# Allegro board P2597_B04_Allegro_layout.brd
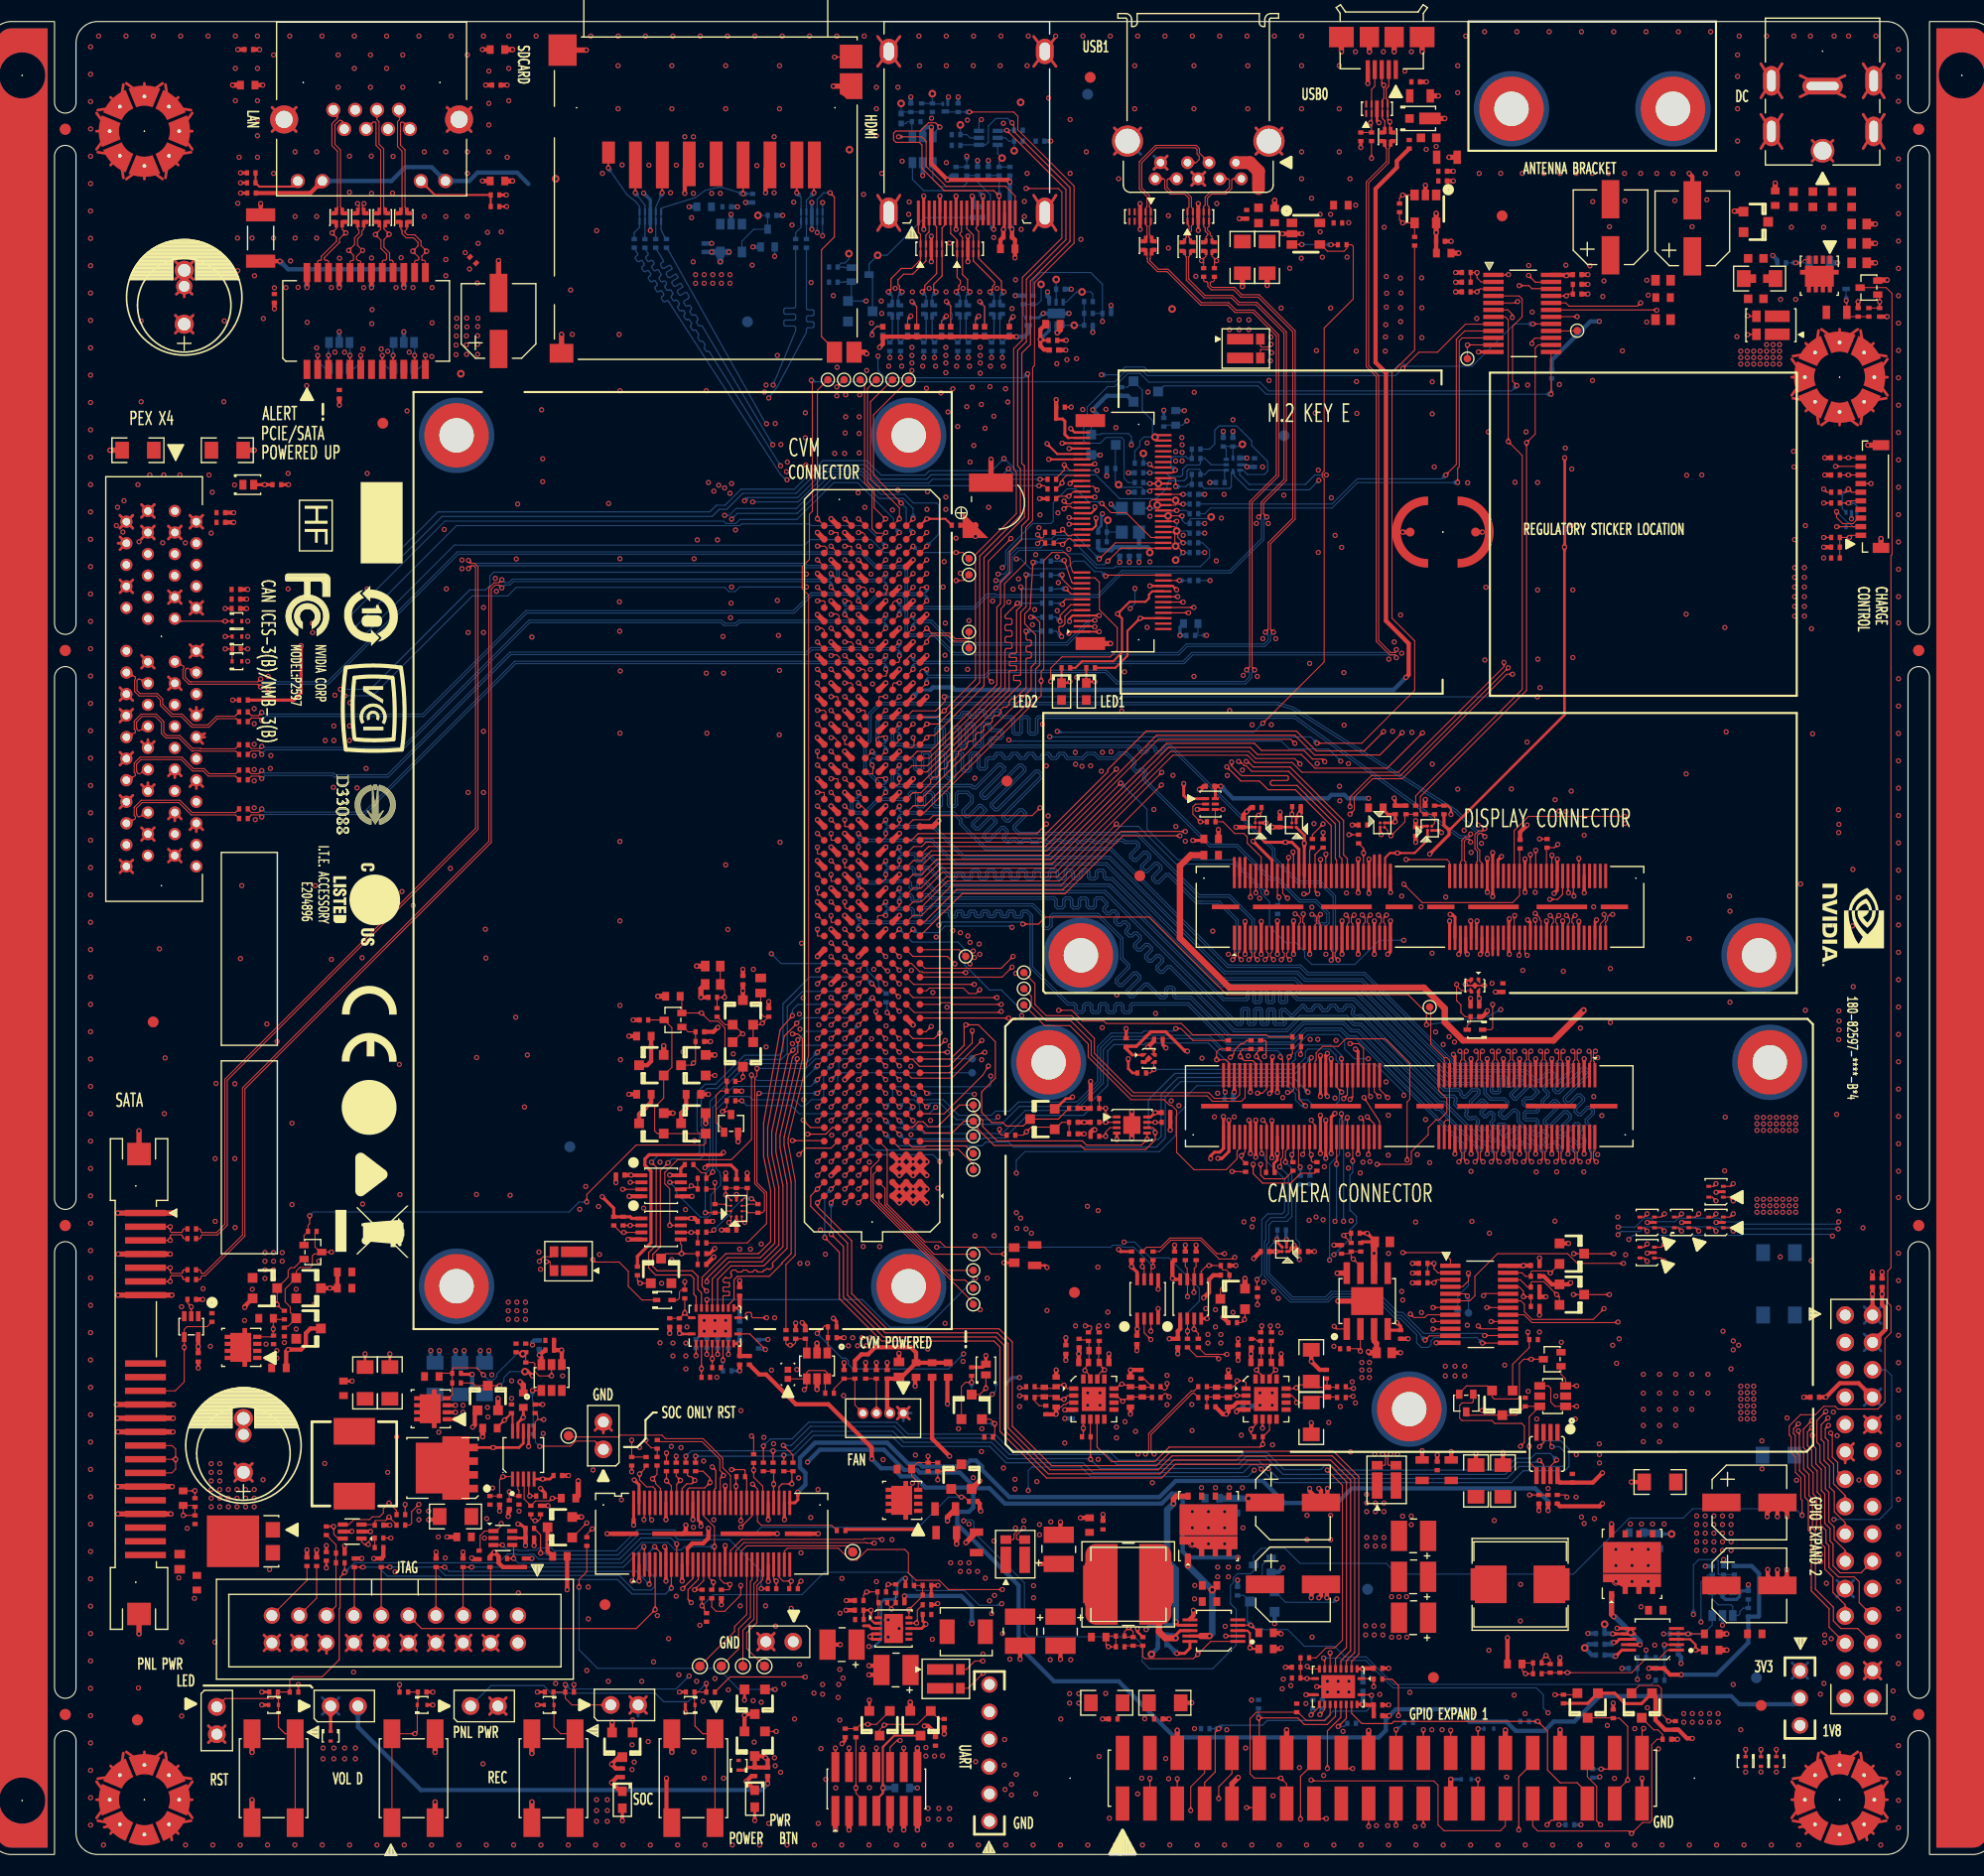
[diagram p0: board, top side]
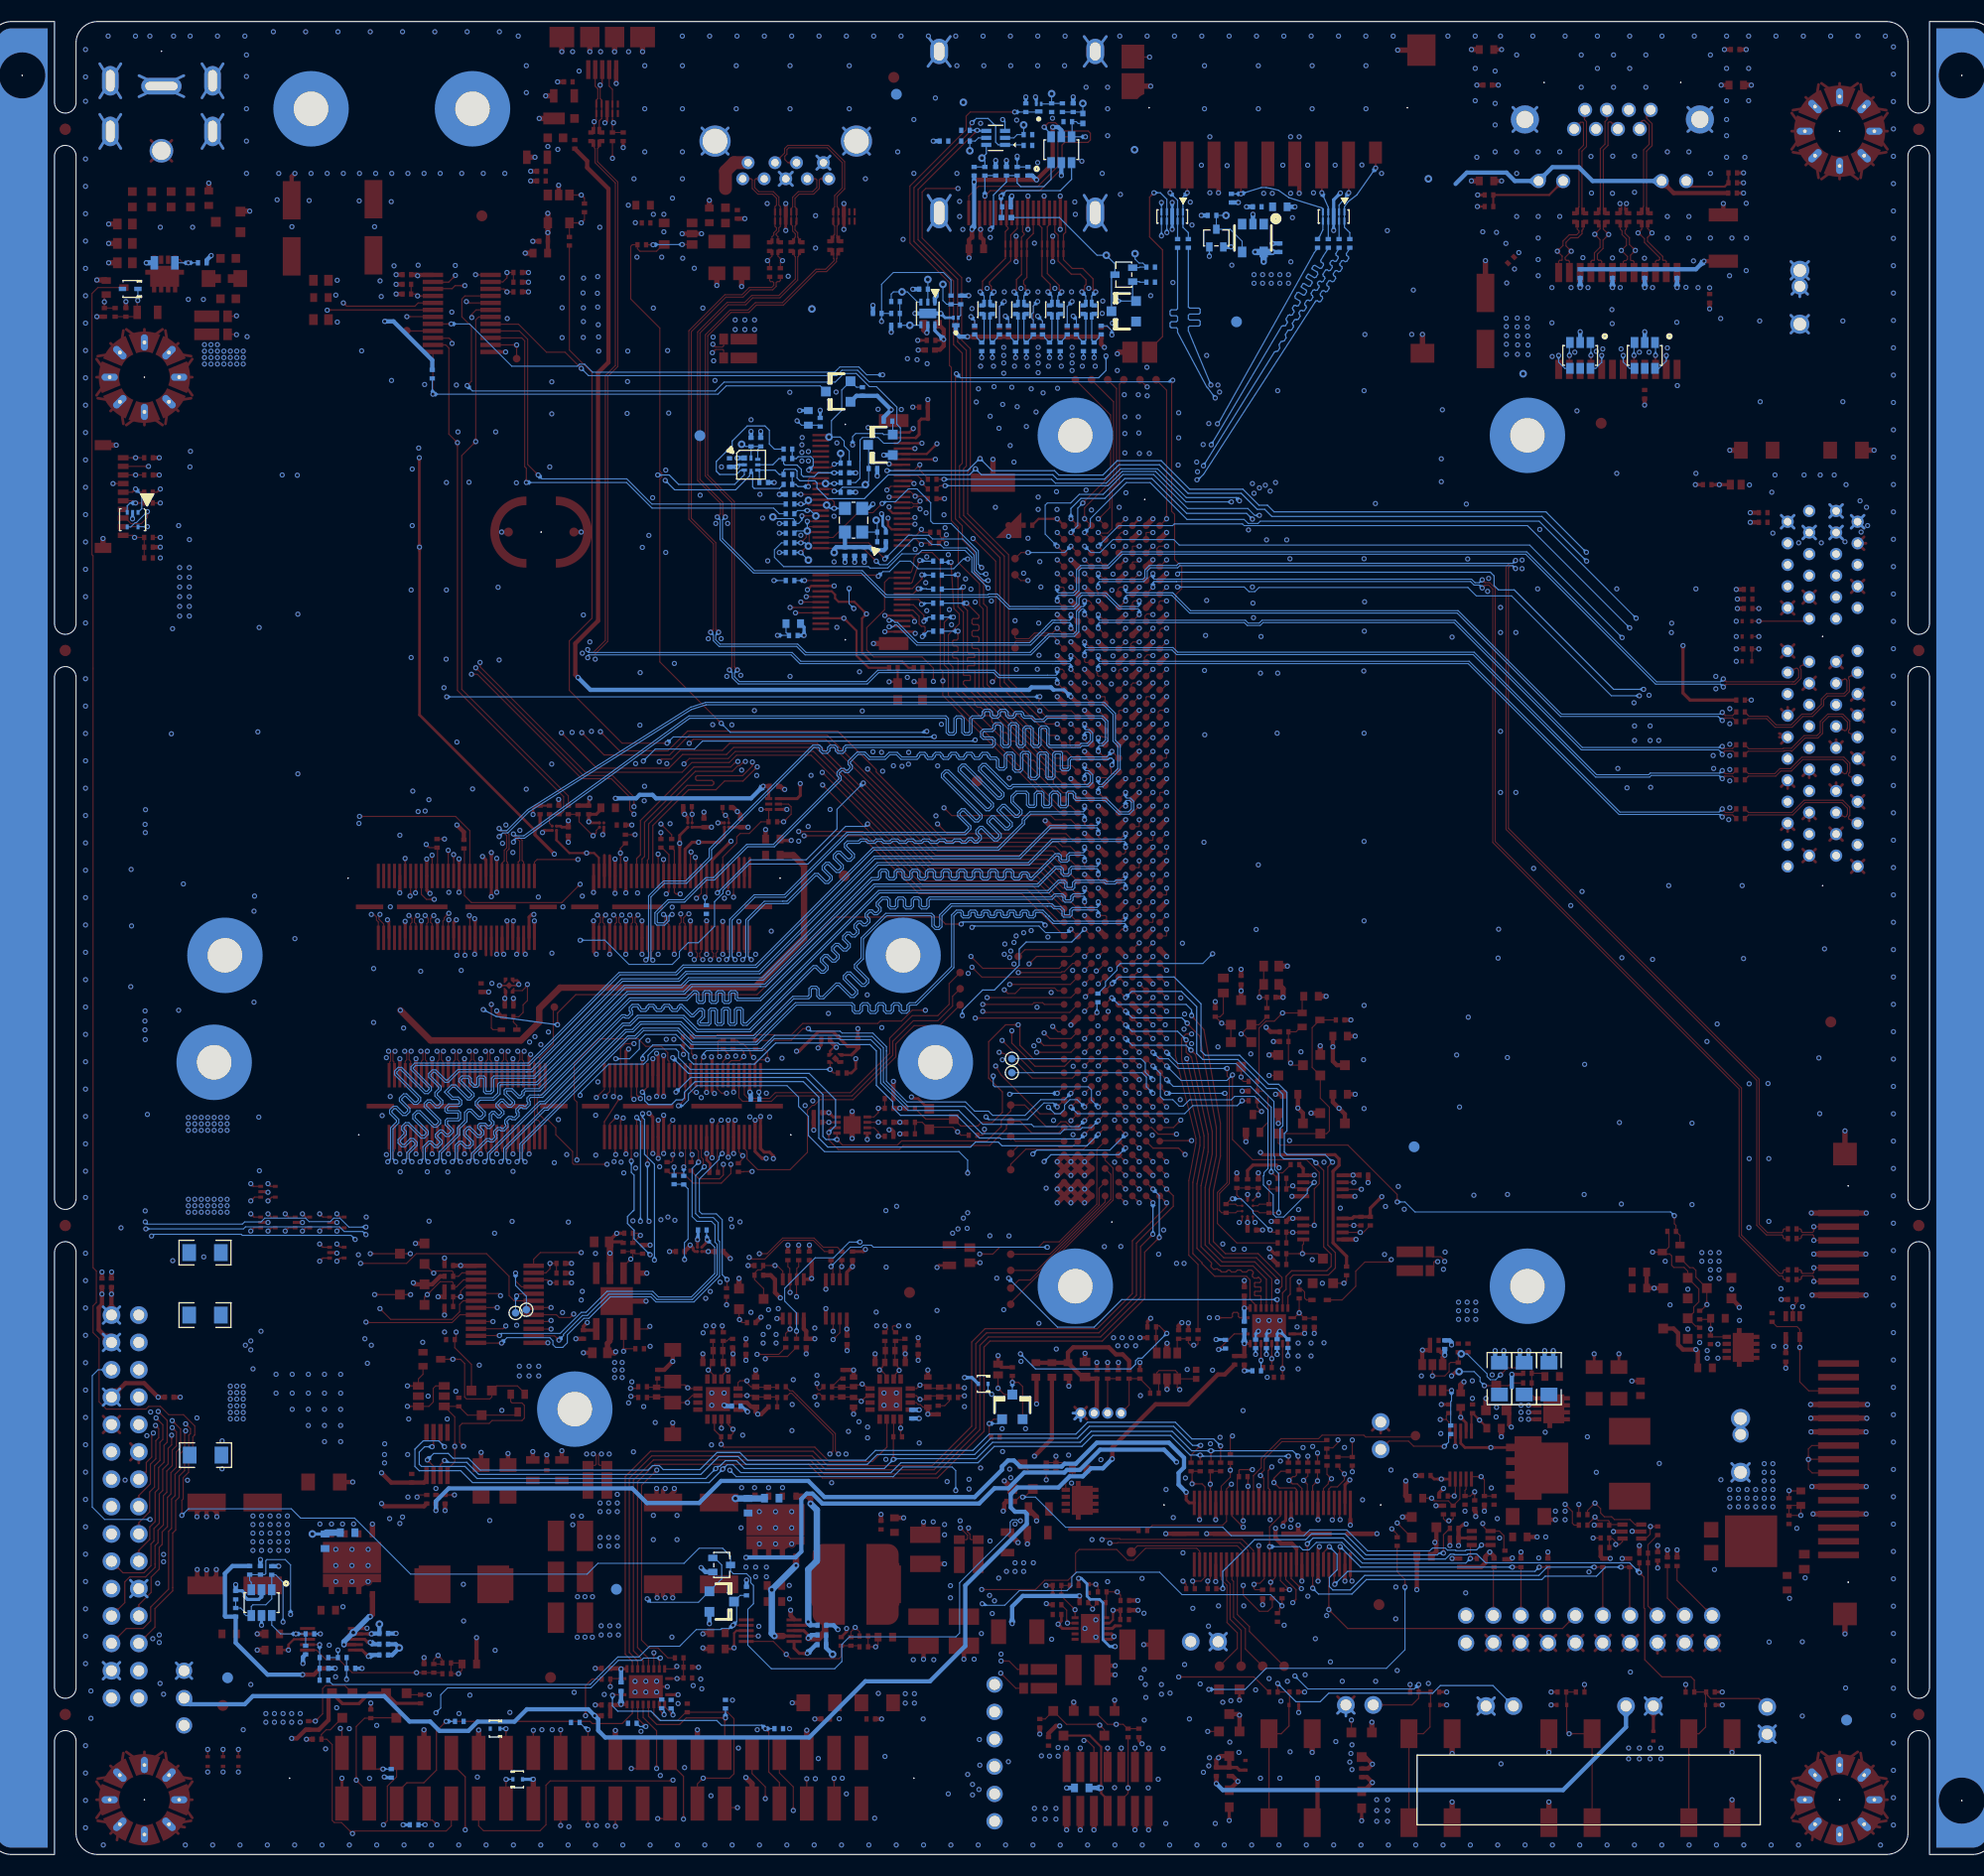
[diagram p1: board, bottom side, seen from below]

Outline 186.18 x 170.18 mm; copper layers: TOP, L2, L3, L4, L5, BOTTOM. Coordinates in mm from the lower left corner of the outline.

## Design rules (mm)
constraint set DEFAULT: min track width 0.1
net group ACOK: nets ACOK D_FORCE_AC_NOT_OK_N
net group AP_WAKE_MDM_1V8: nets AP_WAKE_MDM_1V8 AP_WAKE_MDM_1V8_R
net group BBAT: nets BBAT BBAT_R
net group BT2_WAKE_AP_L: nets BT2_WAKE_AP_L M2_E_20
net group BUCK_IO_EN: nets BUCK_IO_EN CARRIER_PWR_ON
net group CAM_GYRO_INT: nets CAM_GYRO_INT MOTION_INT_AP_L
net group CAM_UART1_CTS: nets CAM_UART1_CTS UART1_CTS
net group CAM_UART1_RTS: nets CAM_UART1_RTS UART1_RTS
net group CAM_UART1_RXD: nets CAM_UART1_RXD UART1_RXD
net group CAM_UART1_TXD: nets CAM_UART1_TXD UART1_TXD
net group CHG_OC_L: nets CHG_OC_L M2_B_73
net group CON_CSI_A_D0: nets CON_CSI_A_D0_N CON_CSI_A_D0_P
net group CON_CSI_A_D1: nets CON_CSI_A_D1_N CON_CSI_A_D1_P
net group CON_CSI_B_CLK: nets CON_CSI_B_CLK_N CON_CSI_B_CLK_P
net group CON_CSI_B_D0: nets CON_CSI_B_D0_N CON_CSI_B_D0_P
net group CON_CSI_B_D1: nets CON_CSI_B_D1_N CON_CSI_B_D1_P
net group CON_CSI_C_CLK: nets CON_CSI_C_CLK_N CON_CSI_C_CLK_P
net group CON_CSI_C_D0: nets CON_CSI_C_D0_N CON_CSI_C_D0_P
net group CON_CSI_C_D1: nets CON_CSI_C_D1_N CON_CSI_C_D1_P
net group CON_CSI_D_CLK: nets CON_CSI_D_CLK_N CON_CSI_D_CLK_P
net group CON_CSI_D_D0: nets CON_CSI_D_D0_N CON_CSI_D_D0_P
net group CON_CSI_E_CLK: nets CON_CSI_E_CLK_N CON_CSI_E_CLK_P
net group CON_CSI_E_D0: nets CON_CSI_E_D0_N CON_CSI_E_D0_P
net group CON_CSI_E_D1: nets CON_CSI_E_D1_N CON_CSI_E_D1_P
net group CON_CSI_F_CLK: nets CON_CSI_F_CLK_N CON_CSI_F_CLK_P
net group CON_CSI_F_D0: nets CON_CSI_F_D0_N CON_CSI_F_D0_P
net group CON_CSI_F_D1: nets CON_CSI_F_D1_N CON_CSI_F_D1_P
net group CON_DSI3_CLK: nets CON_DSI3_CLK_N CON_DSI3_CLK_P
net group CON_DSI4_CLK: nets CON_DSI4_CLK_N CON_DSI4_CLK_P
net group CON_DSI_A_CLK: nets CON_DSI_A_CLK_N CON_DSI_A_CLK_P
net group CON_DSI_A_D0: nets CON_DSI_A_D0_N CON_DSI_A_D0_P
net group CON_DSI_A_D1: nets CON_DSI_A_D1_N CON_DSI_A_D1_P
net group CON_DSI_A_D2: nets CON_DSI_A_D2_N CON_DSI_A_D2_P
net group CON_DSI_B_CLK: nets CON_DSI_B_CLK_N CON_DSI_B_CLK_P
net group CON_DSI_B_D0: nets CON_DSI_B_D0_N CON_DSI_B_D0_P
net group CON_DSI_B_D1: nets CON_DSI_B_D1_N CON_DSI_B_D1_P
net group CON_DSI_B_D2: nets CON_DSI_B_D2_N CON_DSI_B_D2_P
net group CON_DSI_B_D3: nets CON_DSI_B_D3_N CON_DSI_B_D3_P
net group D_FORCE_OFF_L: nets D_FORCE_OFF_L D_FORCE_OFF_R_L
net group DBG_GEN1_I2C_SCL: nets DBG_GEN1_I2C_SCL I2C_GP0_SCL_3V3_LVL
net group DBG_GEN1_I2C_SDA: nets DBG_GEN1_I2C_SDA I2C_GP0_SDA_3V3_LVL
net group DBG_GPIO: nets DBG_GPIO DBG_GPIO3
net group DBG_GPIO1: nets DBG_UART0_CTS UART0_CTS
net group DIRECTDC_PIN5: nets DIRECTDC_PIN5 DIRECTDC_PIN5_R
net group DIS_VDD_1V2_EN_PU: nets DIS_VDD_1V2_EN_PU DIS_VDD_1V2_EN_PU_R
net group DIS_VDD_1V2_EN_PU_R_IN: nets DIS_VDD_1V2_EN DIS_VDD_1V2_EN_PU_R_IN
net group DISCHARGE: nets DISCHARGE EN_VDD_SATA_R_D_L
net group DISCHARGE_CAT: nets DIS_PNP_C DISCHARGE_CAT
net group DP_CON_CSI_A_CLK: nets CON_CSI_A_CLK_N CON_CSI_A_CLK_P
net group DP_GBE_MDI0: nets GBE_MDI0_N GBE_MDI0_P
net group DP_GBE_MDI1: nets GBE_MDI1_N GBE_MDI1_P
net group DP_GBE_MDI2: nets GBE_MDI2_N GBE_MDI2_P
net group DP_GBE_MDI3: nets GBE_MDI3_N GBE_MDI3_P
net group EDP_AUX_CH0: nets EDP_AUX_CH0_N EDP_AUX_CH0_P
net group EDP_TXD0: nets EDP_TXD0_N EDP_TXD0_P
net group EDP_TXD1: nets EDP_TXD1_N EDP_TXD1_P
net group EDP_TXD2: nets EDP_TXD2_N EDP_TXD2_P
net group EDP_TXD3: nets EDP_TXD3_N EDP_TXD3_P
net group EN_VDD_DISP_R: nets EN_VDD_DISP EN_VDD_DISP_R
net group EN_VDD_SATA_G: nets EN_VDD_SATA_G EN_VDD_SATA_R_L
net group FLASH_STROBE_G: nets FLASH_STROBE FLASH_STROBE_G
net group FORCE_RECOVERY_R_L: nets FORCE_RECOVERY_L FORCE_RECOVERY_R_L
net group HDMI_CEC_CON: nets HDMI_CEC_CON HDMI_CEC_Q
net group HDMI_DDC_SCL_5V0: nets HDMI_DDC_SCL_5V HDMI_DDC_SCL_5V0
net group INA_1_A0: nets DBG_PM342_I2C_SDA_3V3 INA_1_A0
net group INA_3_A0: nets DBG_PM342_I2C_SCL_3V3 INA_3_A0
net group LCD_EN: nets LCD_EN LCD_RST_L
net group LED1_L: nets LED1_L LED1_R_L
net group LED2_L: nets LED2_L LED2_R_L
net group LM3481_COMP: nets LM3481_COMP LM3481_COMP_R
net group LM3481_FB: nets LM3481_FB LM3481_FB_R
net group LM3481_ISEN: nets LM3481_ISEN LM3481_S
net group M2_E_59: nets M2_E_59 SAR_TOUT
net group M2_E_61: nets M2_E_61 SAR_CTRL
net group M2_E_ALERT_L: nets M2_E_ALERT_L M2_E_ALERT_RS_L
net group MDM_COLDBOOT_1V8: nets MDM_COLDBOOT_1V8 MDM_COLDBOOT_1V8_R
net group MDM_EN: nets MDM_EN MDM_EN_R
net group MDM_RST_L: nets MDM_RST_L MDM_RST_R_L
net group MDM_WAKE_AP_1V8: nets MDM_WAKE_AP_1V8 MDM_WAKE_AP_1V8_R
net group NVSR_INT_R: nets NVSR_INT NVSR_INT_R
net group PCIE0_L0_CLKREQ_R: nets PCIE0_L0_CLKREQ PCIE0_L0_CLKREQ_R
net group PEX2_REFCLK: nets PEX2_REFCLK_N PEX2_REFCLK_P
net group PEX_CLK0: nets PEX_CLK0_N PEX_CLK0_P
net group PEX_CLK1: nets PEX_CLK1_N PEX_CLK1_P
net group PEX_RX0_AP: nets PEX_RX0_AP_N PEX_RX0_AP_P
net group PEX_RX1: nets PEX_RX1_N PEX_RX1_P
net group PEX_RX2: nets PEX_RX2_N PEX_RX2_P
net group PEX_RX3: nets PEX_RX3_N PEX_RX3_P
net group PEX_RX4: nets PEX_RX4_N PEX_RX4_P
net group PEX_TX0_AP_N: nets PEX_TX0_AP_N PEX_TX0_C_N
net group PEX_TX0_AP_P: nets PEX_TX0_AP_P PEX_TX0_C_P
net group PEX_TX1_C_P: nets PEX_TX1_C_P PEX_TX1_P
net group PEX_TX2_C_P: nets PEX_TX2_C_P PEX_TX2_P
net group PEX_TX3_C_P: nets PEX_TX3_C_P PEX_TX3_P
net group PEX_TX4_C_P: nets PEX_TX4_C_P PEX_TX4_P
net group PM_BUS_SEL: nets PM_BUS_SEL PM_BUS_SEL_G
net group PS_VDD_FAN_DISABLE_R: nets PS_VDD_FAN_DISABLE PS_VDD_FAN_DISABLE_R
net group RESET_IN_L: nets JTAG_SRST_OD_L RESET_OUT_R_L
net group RJ_LED1: nets GBE_LED0_SPICSB RJ_LED1
net group RJ_LED2: nets GBE_LED1_SPISCK RJ_LED2
net group SATA_TX_C_N: nets SATA_TX_C_N SATA_TX_N
net group SATA_TX_C_P: nets SATA_TX_C_P SATA_TX_P
net group SDIO_CMD: nets SDIO_CMD SDIO_CMD_R
net group SDIO_D0: nets SDIO_D0 SDIO_DAT0_R
net group SDIO_D1: nets SDIO_D1 SDIO_DAT1_R
net group SDIO_D2: nets SDIO_D2 SDIO_DAT2_R
net group SDIO_D3: nets SDIO_D3 SDIO_DAT3_R
net group SLEEP_R: nets SLEEP SLEEP_R
net group SOC_REG_EN_Q: nets SOC_REG_EN_Q SOC_REG_EN_QQ
net group SW_VDD_3V3_SYS_G: nets SW_VDD_3V3_SYS_G SW_VDD_3V3_SYS_R
net group U9_FB: nets U9_FB U9_FB_R
net group UART4_RX: nets UART4_RX UART4_RX_DBG
net group UART4_TX: nets UART4_TX UART4_TX_DBG
net group USB0_ID_IO_CONN: nets USB0_ID_IO_CONN USB0_ID_IO_CONN_D
net group USB2_D: nets USB2_D_N USB2_D_P
net group USB_VBUS_EN1: nets USB_VBUS_EN1 USB_VBUS_OC0
net group VDD_LCD_1V8_VIN: nets VDD_LCD_1V8_EN VDD_LCD_1V8_VIN
net group VDD_MUX_CAP: nets VDD_MUX_CAP VDD_MUX_CAP_R
net group VDD_MUX_FILTER_P: nets VDD_MUX_FILTER_P VDD_MUX_P
net group VDD_VBUS: nets VDD_VBUS VDD_VBUS_CONN_L
net group VIN_PWR_BAD_R_L: nets VIN_PWR_BAD_L VIN_PWR_BAD_R_L
net group W_DISABLE1_L: nets W_DISABLE1_L W_DISABLE1_R_L
net group 1V8_IO_VREG_EN: nets 1V8_IO_VREG_EN 3V3_SYS_BUCK_EN VDD_3V3_SYS_PG VDD_5V0_IO_SYS_PG
net group 19V_INPUT: nets 19V_INPUT VIN_PWR_BAD_C VIN_PWR_BAD_CQ
net group 50OHM_NETCLASS1: nets AUDIO_I2S_MCLK AUDIO_I2S_MCLK_3V3 CAM1_MCLK CAM1_MCLK_R CAM2_MCLK CAM2_MCLK_R SPI0_CLK SPI1_SCK SPI2_SCK
net group 50OHM_NETCLASS2: nets AO_DMIC_IN_CLK AO_DMIC_IN_CLK_LVL AO_DMIC_IN_DAT AO_DMIC_IN_DAT_LVL AP_WAKE_BT AP_WAKE_BT_3V3 AUDIO_I2S_SFSYNC AUDIO_I2S_SFSYNC_3V3 AUDIO_I2S_SIN AUDIO_I2S_SIN_3V3 AUDIO_I2S_SOUT AUDIO_I2S_SOUT_3V3 AUDIO_I2S_SRCLK AUDIO_I2S_SRCLK_3V3 CAM_I2C_SCL CAM_I2C_SDA CAM_VSYNC CAN0_ERR CAN0_RX CAN0_STBY CAN0_TX CAN1_ERR CAN1_RX CAN1_STBY CAN1_TX CAN_WAKE CON_I2C_GP1_SCL_LT CON_I2C_GP1_SDA_LT DBG_GPIO1 DBG_PM_I2C_SCL_3V3 DBG_PM_I2C_SDA_3V3 DIRECTDC_CLK DIRECTDC_IN DIRECTDC_OUT0 DIRECTDC_OUT1 DIRECTDC_OUT2 DIRECTDC_OUT3 DSPK_OUT_CLK DSPK_OUT_DAT FAN_PWM GEN1_I2C_SCL_CAM_R GEN1_I2C_SDA_CAM_R GS_H GS_V HDMI_CEC HDMI_DDC_SCL_POL HDMI_DDC_SDA_5V HDMI_DDC_SDA_5V0 HDMI_DDC_SDA_POL I2C_GP0_CLK_1V8 I2C_GP0_DAT_1V8 I2C_GP0_SCL_M2 I2C_GP0_SDA_M2 I2C_GP1_CLK_3V3 I2C_GP1_DAT_3V3 I2C_GP1_SCL I2C_GP1_SDA I2C_GP2_CLK I2C_GP2_DAT I2C_GP3_CLK I2C_GP3_DAT I2C_PM_CLK I2C_PM_DAT I2S1_CLK I2S1_LRCLK I2S1_SDIN I2S1_SDOUT I2S2_CLK I2S2_LRCLK I2S2_SDIN I2S2_SDOUT I2S3_CLK I2S3_LRCLK I2S3_SDIN I2S3_SDOUT JTAG_AP_RTCK JTAG_AP_TCK JTAG_AP_TDI JTAG_AP_TDO JTAG_AP_TMS JTAG_AP_TRST_L LCD1_BKLT_PWM LCD_BL_PWM NVJTAG_SEL POWER_BTN POWER_BTN_R PWR_I2C_SCL_D PWR_I2C_SDA_D RESET_IN_L RESET_IN_R_L SDCARD_CD_L SDCARD_CLK_POL SDCARD_CLK_R SDCARD_CMD_POL SDCARD_CMD_R SDCARD_DAT0_POL SDCARD_DAT0_R SDCARD_DAT1_POL SDCARD_DAT1_R SDCARD_DAT2_POL SDCARD_DAT2_R SDCARD_DAT3_POL SDCARD_DAT3_R SDIO_CLK SDIO_CLK_R SPI0_CS0 SPI0_MISO SPI0_MOSI SPI1_CS0 SPI1_CS0_3V3 SPI1_CS1 SPI1_CS1_3V3 SPI1_MISO SPI1_MISO_3V3 SPI1_MOSI SPI1_MOSI_3V3 SPI1_SCK_3V3 SPI2_CS0 SPI2_CS1 SPI2_MISO SPI2_MOSI SUSCLK_32KHZ SYS_RST_IN_DBG_C TOUCH_CLK TOUCH_CLK_R
net group 90DIFF_NETCLASS1: nets PEX_TX1_N PEX_TX2_N PEX_TX3_N PEX_TX4_N SATA_RX_C_N SATA_RX_C_P SATA_RX_N SATA_RX_P SNN_USB2_ESD_NC1 SNN_USB2_ESD_NC2 SNN_USB2_ESD_NC3 SNN_USB2_ESD_NC4 USB0_D_N USB0_D_P USB0_IO_CONN_D_N USB0_IO_CONN_D_P USB1_D_N USB1_D_P USB1_F_D_N USB1_F_D_P USB3_RX1_F_N USB3_RX1_F_P USB3_RX1_N USB3_RX1_P USB3_TX1_C_N USB3_TX1_C_P USB3_TX1_N USB3_TX1_P VDD_1V8_IO_N VDD_1V8_IO_P VDD_3V3_IO_SLP_N VDD_3V3_IO_SLP_P VDD_3V3_SYS_FILTER_N VDD_3V3_SYS_FILTER_P VDD_3V3_SYS_N VDD_3V3_SYS_P VDD_5V_IO_SYS_F_N VDD_5V_IO_SYS_F_P VDD_5V_IO_SYS_N VDD_5V_IO_SYS_P VDD_M2_IN_N VDD_M2_IN_P VDD_MUX_FILTER_M VDD_MUX_N
net group AUDIO_I2S_MCLK: nets AUDIO_I2S_MCLK_R
net group BUCK_BST: nets BUCK_BST BUCK_FB BUCK_FB_MID BUCK_FB_MID_R BUCK_SNUB VBST VDD_3V3_SYS_PWR_R
net group BUCK_BST_IO: nets BUCK_BST_IO BUCK_FB_IO_MID BUCK_FB_IO_MID_R BUCK_IO_FB BUCK_IO_SNUB VBST_IO VDD_5V0_IO_SYS_R
net group CONN_CAM0_RST_L: nets CAM0_RST_L CONN_CAM0_RST_L DBG_KB_ROW0
net group CONN_CAM1_RST_L: nets CAM1_RST_L CONN_CAM1_RST_L DBG_KB_ROW1
net group DBG_GPIO2: nets DBG_GPIO2 DBG_UART0_RTS UART0_RTS
net group DBG_UART_SEL: nets DBG_UART_SEL UART1_DIR_G VAUX_5V VAUX_5V_G
net group EN_HDMI: nets 5V0_HDMI_EN EN_HDMI EN_HDMI_TERM HDMI_SW_OC*
net group FAN_PWM_Q*: nets FAN_PWM_Q* FAN_PWM_Q_R VDD_FAN
net group GENERIC_DEZ1: nets RJ45_RDN RJ45_RDN1 RJ45_RDN1_F RJ45_RDN_F RJ45_RDP RJ45_RDP1 RJ45_RDP1_F RJ45_RDP_F RJ45_TDN RJ45_TDN1 RJ45_TDN1_F RJ45_TDN_F RJ45_TDP RJ45_TDP1 RJ45_TDP1_F RJ45_TDP_F
net group HDMI_HPD_L: nets HDMI_HPD_CON HDMI_HPD_L HDMI_HPD_R_L
net group HDMI_TXC_CON_N: nets DP1_TXD3_N HDMI_TXC_C_N HDMI_TXC_CON_N
net group HDMI_TXC_CON_P: nets DP1_TXD3_P HDMI_TXC_C_P HDMI_TXC_CON_P
net group HDMI_TXD0_CON_N: nets DP1_TXD2_N HDMI_TXD0_C_N HDMI_TXD0_CON_N
net group HDMI_TXD0_CON_P: nets DP1_TXD2_P HDMI_TXD0_C_P HDMI_TXD0_CON_P
net group HDMI_TXD1_CON_N: nets DP1_TXD1_N HDMI_TXD1_C_N HDMI_TXD1_CON_N
net group HDMI_TXD1_CON_P: nets DP1_TXD1_P HDMI_TXD1_C_P HDMI_TXD1_CON_P
net group HDMI_TXD2_CON_N: nets DP1_TXD0_N HDMI_TXD2_C_N HDMI_TXD2_CON_N
net group HDMI_TXD2_CON_P: nets DP1_TXD0_P HDMI_TXD2_C_P HDMI_TXD2_CON_P
net group JTAG_AP_TRST_L: nets DBG_JTAG_TRST
net group LM3481_SW: nets LM3481_SW LM3481_UVLO LM3481_VIN VDD_LM3481_G VDD_LM3481_GATED VDD_LM3481_R
net group MCT0: nets MCT0 MCT1 MCT2 MCT3 RJ_CAP
net group MDM2AP_READY_1V8: nets CAM_FSIN_INT MDM2AP_READY_1V8 MDM2AP_READY_1V8_R
net group PEX_TX1_C_N: nets PEX_TX1_C_N
net group PEX_TX2_C_N: nets PEX_TX2_C_N
net group PEX_TX3_C_N: nets PEX_TX3_C_N
net group PEX_TX4_C_N: nets PEX_TX4_C_N
net group RESET_OUT_ARM_R_L: nets 1V8_IO_PG RESET_OUT_ARM_R_L RESET_OUT_L VDD_5V_RST_L
net group SYNV18DBC_3_BST: nets SYNV18DBC_3_BST SYNV18DBC_3_FB SYNV18DBC_3_FB2 SYNV18DBC_3_FB_C SYNV18DBC_3_SW VDD_1V8_IO
net group TXL8_OE: nets TXL8_1_OE TXL8_2_OE TXL8_OE
net group UART0_RXD: nets RXD_HDR_1V8 UART0_RXD UART0_RXD_HDR_1V8 UART3_RXD
net group UART0_TXD_HDR_1V8: nets TXD_HDR_1V8 UART0_TXD UART0_TXD_HDR_1V8 UART3_TXD
net group USB0_VBUS_EN: nets USB0_OC* USB0_VBUS_EN USB_VBUS_EN0
net group USB3_TX1_F_N: nets USB3_TX1_F_N
net group USB3_TX1_F_P: nets USB3_TX1_F_P
net group VDD_1V8_IO_FILTER_N: nets VDD_1V8_IO_FILTER_N
net group VDD_1V8_IO_FILTER_P: nets VDD_1V8_IO_FILTER_P
net group VDD_3V3_IO_SLP_FILTER_N: nets VDD_3V3_IO_SLP_FILTER_N
net group VDD_3V3_IO_SLP_FILTER_P: nets VDD_3V3_IO_SLP_FILTER_P
net group VDD_3V3_SYS_PG_Q: nets VDD_3V3_SYS_PG_Q VDD_3V3_SYS_PG_Q_PNL VDD_3V3_SYS_PG_QQ
net group VDD_M2_IN_N: nets VDD_M2_IO_FILT_N
net group VDD_M2_IN_P: nets VDD_M2_IO_FILT_P
nets with their own width: nets AVDD_TS_DIS BUCK_IO_VREG BUCK_VREG DIRECTDC_PIN7 SYNV18DBC_3_VCC VDD_LCD_1V8_DIS VDD_TS_1V8
nets with their own width: min track width 0.3; nets DVDD_CAM_IO_1V2 DVDD_CAM_IO_1V8
nets with their own width: min track width 0.4; nets CGND GND IFP_TERM_EN LM3481_AGND LM3481_VCC P_P2_3V3 P_P6_1V8 P_P8_5V PMGND PMGND3 USB_VBUS_J38 USB_VBUS_J38_FB VDD_1V2 VDD_1V8_DISCHARGE VDD_3V3_DISCHARGE VDD_3V3_SLP_DISCHARGE VDD_3V3_SYS_PG_AND VDD_5V0_DISCHARGE VDD_5V0_HDMI VDD_5V0_HDMI_CON VDD_5V0_IO_SLP_DISCHARGE VDD_12V_SLP_DISCHARGE VDD_DIS_3V3_LCD VDD_GPIO_TXL8 VDD_GPIO_TXL81 VDD_GPIO_TXL82 VDD_SYS_BL VDD_VBUS_CONN
nets with their own width: min track width 1; nets 3V3_GPIO_HDR 5V0_GPIO_HDR BUCK_HSDR BUCK_IO_HSDR BUCK_IO_LSDR BUCK_LSDR LM3481_LG SD_CARD_SW_PWR VDD_1V8 VDD_3V3_SYS_M2
nets with their own width: min track width 1.5; nets AVDD_CAM
nets with their own width: min track width 2; nets VDD_5V0_IO_SLP VDD_12V_SLP
nets with their own width: min track width 3; nets 3V3_IO_SLP_R VDD_3V3_SLP
nets with their own width: min track width 4; nets BUCK_IO_VSW BUCK_VSW VDD_3V3_SYS VDD_5V0_IO_SYS
nets with their own width: min track width 6; nets VDD_19V_CON VDD_19V_IN VDD_MOD VDD_MUX

## Placement (name value [footprint] x y rotation side)
C1  22uF  [1206]  13.75 130.38 180 top
C2  10uF  [0603_LARGE]  17.63 27.18 270 top
C3  0.1uF  [0603]  17.95 33.08 90 top
C4  330uF  [MULTI_CAP_TH_D080P035_D100P050]  18.05 142.08 180 top
C5  10nF  [0402]  18.75 58.08 180 top
C6  10nF  [0402]  18.75 57.18 180 top
C7  10nF  [0402]  18.75 54.28 180 top
C8  10nF  [0402]  18.75 53.38 180 top
C9  0.1uF  [0603]  19.23 25.23 270 top
C10  0.1uF  [0402]  19.35 46.16 270 top
C11  0.1uF  [0402]  21.45 124.58 0 top
C12  0.1uF  [0402]  21.45 123.68 0 top
C13  22uF  [1206]  22.05 130.38 0 top
C14  0.1uF  [0402]  22.85 117.45 0 top
C15  0.1uF  [0402]  22.85 116.55 0 top
C16  0.1uF  [0402]  23.55 106.08 180 top
C17  0.1uF  [0402]  23.55 105.18 180 top
C18  0.1uF  [0402]  23.55 103.03 180 top
C19  0.1uF  [0402]  23.55 102.13 180 top
C20  0.1uF  [0402]  23.55 100.68 180 top
C21  0.1uF  [0402]  23.55 99.78 180 top
C22  0.1uF  [0402]  23.55 97.08 180 top
C23  0.1uF  [0402]  23.55 96.18 180 top
C24  330uF  [MULTI_CAP_TH_D080P035_D100P050]  23.55 35.48 180 top
C25  0.1uF  [0402]  24.27 156.13 180 top
C26  0.1uF  [0402]  24.3 154.26 180 top
C27  1nF  [4520MM]  25.15 150.08 90 top
C28  10nF  [0603]  25.65 49.78 180 top
C29  1nF  [0402]  26.35 15.08 180 top
C30  0.1uF  [0402]  31.25 27.68 270 top
C31  10nF  [0402]  32.46 135.57 270 top
C32  0.1uF  [0603]  32.85 43.28 90 top
C33  22uF  [1206]  34.85 43.78 90 top
C34  22uF  [1206]  37.15 43.78 90 top
C35  1nF  [0402]  40.15 15.08 0 top
C36  10nF  [0603]  41.05 44.38 180 top
C37  0.1uF  [0603]  44.05 29.48 180 top
C38  1uF  [0603]  46.45 39.58 180 top
C39  0.1uF  [0402]  46.93 154.08 0 top
C40  330uF  [CAP_SMD_066X066]  47.25 142.38 90 top
C41  1nF  [0402]  47.35 32.88 270 top
C42  1uF  [0603]  49.55 42.18 90 top
C43  0.1uF  [0402]  49.65 27.08 90 top
C44  0.1uF  [0402]  50.15 29.38 0 top
C45  0.1uF  [0402]  51.15 31.98 90 top
C46  1nF  [0402]  51.95 15.08 180 top
C47  100pF  [0603]  53.75 33.08 0 top
C48  0.1uF  [0402]  58.55 63.08 180 top
C49  1uF  [0603]  63.45 79.68 180 top
C50  1nF  [0402]  65.05 15.08 180 top
C51  0.1uF  [0402]  66.15 58.78 0 top
C52  10uF  [0603_LARGE]  67.15 82.48 180 top
C53  10uF  [0603_LARGE]  67.15 80.78 180 top
C54  0.1uF  [0402]  68.95 57.98 180 top
C55  0.1uF  [0402]  69.65 52.28 90 top
C56  0.1uF  [0402]  69.65 45.88 270 top
C57  33uF  [CAP_SMD_3528]  79.16 19.48 180 top
C58  10pF  [0402]  79.35 44.58 90 top
C59  0.1uF  [0402]  80.75 22.68 180 top
C60  10pF  [0402]  81.35 44.58 90 top
C61  0.1uF  [0402]  83.35 44.58 90 top
C62  0.1uF  [0402]  84.15 24.68 90 top
C63  220uF  [CAP_SMD_3528]  84.17 17.13 180 top
C64  10uF  [0603_LARGE]  84.45 45.03 90 top
C65  10nF  [0603]  84.95 35.78 180 top
C66  0.1uF  [0402]  87.05 24.08 0 top
C67  0.1uF  [0402]  87.05 22.28 0 top
C68  0.1uF  [0402]  87.84 10.5 90 top
C69  22uF  [0805]  88.75 32.08 0 top
C70  22uF  [0805]  88.85 29.88 0 top
C71  22uF  [0805]  91.65 28.98 90 top
C72  80000uF  [CAP_SMD_048X048]  93.65 125.52 180 top
C73  0.1uF  [0402]  94.55 150.18 180 top
C74  10uF  [0603]  94.55 149.08 180 top
C75  10uF  [0603_LARGE]  95.15 55.64 270 top
C76  220uF  [CAP_SMD_3528]  95.7 20.73 270 top
C77  22uF  [0805]  97.05 55.64 270 top
C78  4.7uF  [0402_LARGE]  97.95 42.93 90 top
C79  0.1uF  [0402]  98.42 122.75 180 top
C80  0.1uF  [0402]  98.42 121.75 180 top
C81  4.7uF  [0603]  98.75 142.08 0 top
C82  0.1uF  [0402]  98.75 140.58 0 top
C83  4.7uF  [0402_LARGE]  99.05 43.88 90 top
C84  4.7uF  [0402_LARGE]  99.05 41.98 270 top
C85  220uF  [CAP_SMD_3528]  99.29 28.33 90 top
C86  220uF  [CAP_SMD_3528]  99.45 20.73 270 top
C87  4.7uF  [0402_LARGE]  101.6 45.68 180 top
C88  1uF  [0603]  102.15 30.58 90 top
C89  4.7uF  [0402_LARGE]  102.55 46.78 0 top
C90  0.1uF  [0402]  103.4 30.58 90 top
C91  4.7uF  [0402_LARGE]  103.5 45.68 180 top
C92  0.1uF  [0402]  104.35 12.58 180 top
C93  1uF  [0402]  105.55 75.38 90 top
C94  4.7uF  [0402_LARGE]  105.95 43.88 270 top
C95  4.7uF  [0402_LARGE]  105.95 41.98 90 top
C96  0.1uF  [0402]  106.05 55.58 270 top
C97  150pF  [0402]  106.2 19.78 270 top
C98  0.1uF  [0402]  106.55 47.78 270 top
C99  4.7uF  [0402_LARGE]  107.05 42.93 270 top
C100  1uF  [0402]  108.55 75.68 0 top
C101  0.1uF  [0402]  108.55 12.58 0 top
C102  0.1uF  [0402]  109.25 68.88 0 top